# Allegro board mask_layout.brd (continued)
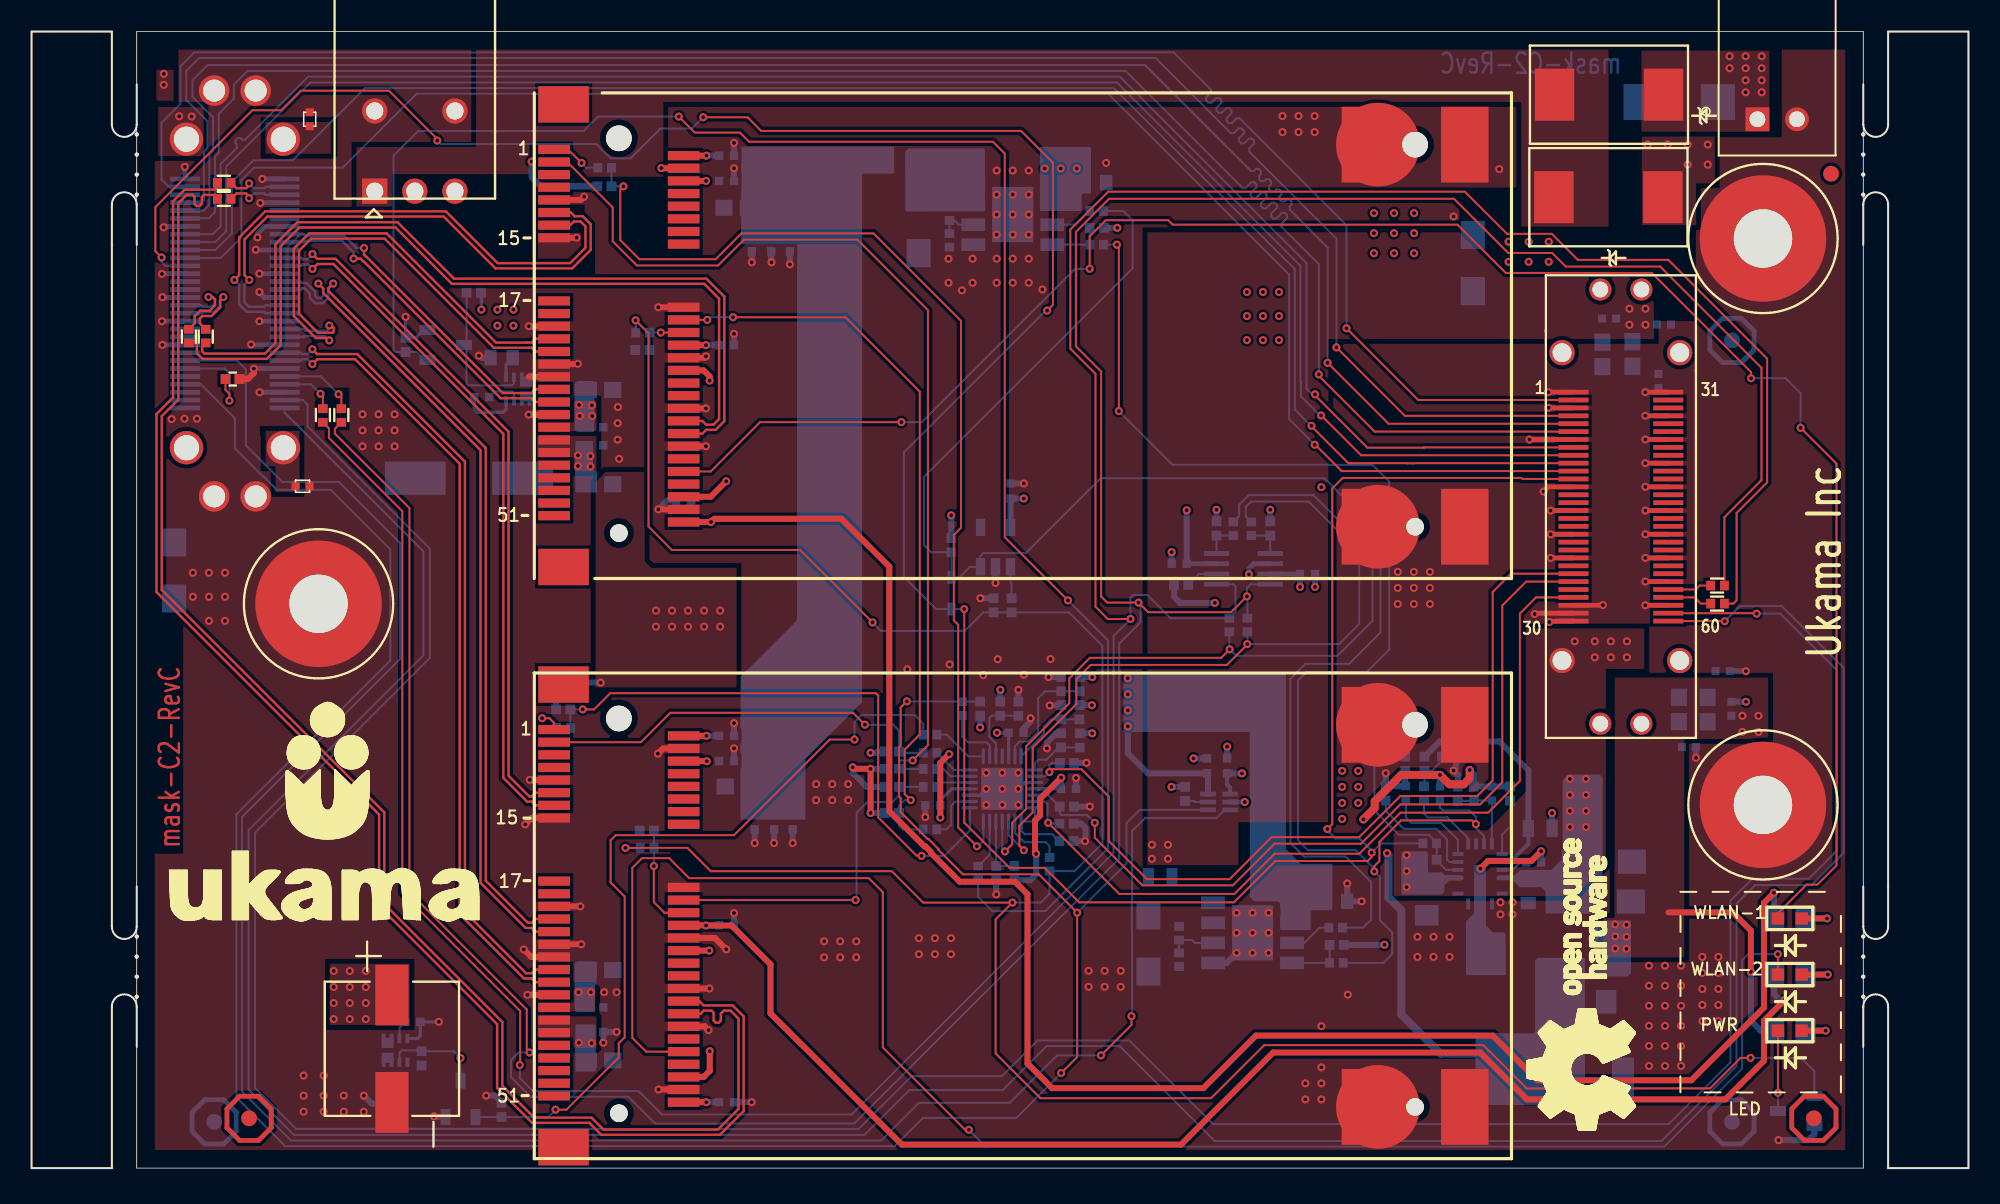
[diagram p0: board, top side]
## Routing (per net, layer and track width the routed paths; a pad name or vN(x,y) marks a point on that pad's centre or on a via; arc(x,y) is an arc through that point) (continued)
SOC_I2C3_SCL_1P8: length 196.8
  TOP w0.127: J2.60 107.17,34.65 v1(107.18,34.64)
  BOTTOM w0.127: v1(107.18,34.64) 108.15,35.6 110.79,35.6 114.7,31.69 114.7,19.96 112.67,17.92 109.1,17.92 107.93,16.76 107.93,6.48 103.18,1.72 74.9,1.72 68.88,7.73 64.26,7.73 61.47,4.94 55.57,4.94 52.73,2.11 16.6,2.11 13.74,4.97 13.74,21.41 24.8,32.48 24.8,39.07 16.02,47.85 J4.60
SOC_I2C3_SDA_1P8: length 195.1
  TOP w0.127: v1(109.2,35.12) 109.17,35.15 J2.59
  BOTTOM w0.127: v1(109.2,35.12) 110.7,35.12 114.3,31.52 114.3,20.12 112.5,18.33 108.93,18.33 107.55,16.95 107.55,6.71 103.63,2.79 74.79,2.79 69.49,8.09 63.69,8.09 61.43,5.83 55.7,5.83 52.35,2.47 36.76,2.47 36.75,2.49 16.74,2.49 14.14,5.09 14.14,21.25 25.21,32.31 25.21,39.24 17.47,46.98 17.47,48.35 17.18,48.64 J4.59
SOC_UART1_CTS: length 109.1
  TOP w0.127: J2.10 87.5,44.65 87.49,44.64 87.09,44.64 87.08,44.65 83.36,44.65 81.02,46.99 v1(81.02,47.02)
  BOTTOM w0.127: J4.10 11.63,58.15 12.68,59.2 12.68,62.47 14.04,63.83 16.53,63.83 21.1,68.4 68.51,68.4 79.96,56.95 79.96,48.05 80.99,47.02 v1(81.02,47.02)
SOC_UART1_RTS: length 109.6
  TOP w0.127: v1(81.23,45.82) 81.26,45.82 82.93,44.15 J2.11
  BOTTOM w0.127: J4.11 11.97,57.65 13.28,58.96 13.28,62.57 14.08,63.36 19.69,63.36 24.37,68.05 68.15,68.05 79.61,56.59 79.61,47.44 v1(81.23,45.82)
SOC_UART1_RX: length 109.1
  TOP w0.127: v1(81.63,47.67) 81.64,47.67 84.17,45.15 J2.9
  BOTTOM w0.127: J4.9 11.63,58.65 12.32,59.34 12.32,63.44 17.64,68.76 68.71,68.76 80.32,57.15 80.32,49.84 80.35,49.81 80.35,48.88 81.56,47.67 v1(81.63,47.67)
SOC_UART1_TX: length 109.3
  TOP w0.127: v1(81.25,49.01) 81.25,48.95 84.56,45.63 88.13,45.63 88.13,45.62 88.15,45.65 J2.8
  BOTTOM w0.127: J4.8 9.72,59.15 11.46,59.15 11.97,59.65 11.97,63.59 13.01,64.63 13.01,64.82 12.91,64.92 12.91,65.11 13.04,65.24 13.23,65.24 13.33,65.14 13.52,65.14 17.51,69.13 68.9,69.13 80.71,57.32 80.71,49.37 81.07,49.01 v1(81.25,49.01)
STRAP_1: length 7.4
  BOTTOM w0.127: U5.13 62.25,26.72 62.55,27.02 63.1,27.02 63.72,27.65 63.72,29.77 64.16,30.2 R40.1 R39.2
STRAP_2: length 4.9
  BOTTOM w0.127: U5.14 63.07,26.5 63.08,26.5 64.08,27.5 64.08,27.96 64.55,28.43 R46.1 R45.2
STRAP_3: length 3.7
  BOTTOM w0.127: R48.2 R49.1 65.01,26.64 64.24,25.87 63.75,25.87 63.51,25.63 U5.15
SYS_NRST: length 162.7
  TOP w0.127: v1(38.24,53.7) 39.05,52.88 39.05,40.63 40.54,39.15 48.65,39.15 v1(53.24,34.56) ; v1(37.6,20.28) 41.52,20.28 42.99,18.81 54.46,18.81 56.44,16.82 v1(62.09,16.82) 61.03,15.75 61.03,7.27 63.86,4.43 74.67,4.43 78.03,7.79 91.89,7.79 94.63,5.05 106.26,5.05 108.18,6.98 v1(108.82,6.98)
  BOTTOM w0.127: v1(38.24,53.7) 38.24,53.69 R25.2 ; v1(62.09,16.82) 63.89,16.82 64.44,17.37 R76.1 66.03,18.82 67.79,20.57 67.79,33.08 65.66,35.2 R33.1 R34.1 60.25,35.2 59.08,34.03 53.77,34.03 v1(53.24,34.56) ; v1(108.82,6.98) 112.02,6.98 112.86,6.14 Q1.1 ; R74.2 v1(37.6,20.28)
USB_DN0: length 53.5
  TOP w0.152: R3.2 10.03,52.34 10.31,52.34 10.46,52.18 10.46,51.6 10.81,51.26 14.9,51.26 15.77,52.12 15.77,58.39 16.96,59.58 23.04,59.58 26.61,56.01 42.58,56.01 43.52,55.07 43.52,47.44 43.17,47.09 42.7,47.09 42.47,47.32 J1.36
USB_DN1: length 96.6
  TOP w0.152: J3.36 42.27,10.58 42.54,10.31 44.38,10.31 45.08,9.61 45.08,3.61 43.58,2.11 36.07,2.11 35.31,2.87 31.68,2.87 29.47,5.08 29.47,9.12 22,16.59 22,22.4 7.91,36.49 7.91,47.77 8.96,48.81 8.96,61.25 9.68,61.97 11.58,61.97 11.76,62.15 R1.2
USB_DP0: length 53.6
  TOP w0.152: J1.38 42.47,46.52 42.7,46.76 43.3,46.76 43.85,47.31 43.85,55.2 42.72,56.34 26.74,56.34 23.17,59.91 16.82,59.91 15.44,58.52 15.44,52.26 14.77,51.59 10.95,51.59 10.79,51.74 10.79,52.04 R4.2
USB_DP1: length 96.5
  TOP w0.152: J3.38 42.35,9.78 42.55,9.98 43.04,9.98 43.18,9.84 43.18,9.35 43.31,9.21 43.5,9.21 43.64,9.35 43.64,9.79 43.82,9.98 44.24,9.98 44.75,9.47 44.75,3.75 43.44,2.44 36.2,2.44 35.45,3.2 31.82,3.2 29.8,5.22 29.8,9.25 22.33,16.73 22.33,22.53 8.24,36.62 8.24,47.63 9.29,48.68 9.29,61.11 9.82,61.64 10.19,61.64 10.32,61.51 10.32,61.07 10.45,60.93 10.64,60.93 10.78,61.07 10.78,61.51 10.91,61.64 11.58,61.64 11.76,61.46 R2.2
WLAN1_CHIP_PWD_L: length 61.9
  TOP w0.127: v1(55.78,25.83) 56.74,26.79 56.74,54.34 52.28,58.81 45.09,58.81 43.46,57.17 38.32,57.17 36.79,58.7 36.79,60.85 33.91,63.73 J1.3
  BOTTOM w0.127: v1(55.78,25.83) 55.04,25.83 54.91,25.7 R57.2 54.92,25.28 R56.2
WLAN1_DISABLE: length 47.2
  TOP w0.127: v1(44.41,53.89) 51.52,53.89 56.23,49.18 56.23,27.46 55.27,26.51 55.27,23.69 v1(55.65,23.31) ; J1.20 v1(42.78,53.73)
  BOTTOM w0.127: R70.2 55.14,21.46 54.91,21.69 R68.2 54.91,22.95 55.27,23.31 v1(55.65,23.31) ; v1(44.41,53.89) 42.94,53.89 v1(42.78,53.73)
WLAN1_LED: length 119.4
  TOP w0.127: LED1.K 110.55,16.15 112.36,17.96 113.05,17.96 114.26,19.17 114.26,44.62 v1(111.99,46.89) ; v1(108.85,50.03) 108.85,50.42 102.57,56.7 93.32,56.7 90.27,59.75 72.24,59.75 71.96,60.04 68,60.04 66.98,59.02 v1(66.98,56.96) ; v1(55.06,47.25) 46.12,47.25 42.99,44.12 J1.44
  BOTTOM w0.127: v1(111.99,46.89) 111.99,49.08 111.04,50.03 v1(108.85,50.03) ; v1(66.98,56.96) 66.06,56.96 56.35,47.25 v1(55.06,47.25)
WLAN2_CHIP_PWD_L: length 26
  TOP w0.127: v1(52.76,28.09) 52,28.84 40.43,28.84 38.58,26.98 J3.3
  BOTTOM w0.127: v1(52.76,28.09) 54.55,28.09 54.91,27.72 R53.2 54.99,26.31 R54.2
WLAN2_DISABLE: length 21.6
  TOP w0.127: v1(52.16,16.98) 52.16,16.98 J3.20
  BOTTOM w0.127: v1(52.16,16.98) 52.23,17.05 52.23,22.51 52.91,23.18 54.48,23.18 54.91,23.61 R65.2 56.43,24.15 R64.2
WLAN2_LED: length 110.9
  TOP w0.127: v1(110.55,13.55) 110.55,13.55 LED2.K ; v1(59.34,2.43) 59.1,2.43 53.89,7.64 53.89,17.48 52.99,18.37 41.62,18.37 40.36,19.64 38.65,19.64 38.03,19.02 38.03,8.25 38.9,7.38 J3.44
  BOTTOM w0.127: v1(110.55,13.55) 108.66,13.55 108.29,13.18 108.29,6.31 103.35,1.37 60.4,1.37 v1(59.34,2.43)
N04873: length 6.1
  TOP w0.152: v1(11.2,55.18) 11.46,55.18 11.61,55.02 11.61,54.65 11.26,54.3 10.67,54.3 10.33,53.96 10.33,53.5 R3.1
  BOTTOM w0.152: v1(11.2,55.18) 11.44,55.18 11.59,55.02 11.59,54.75 11.4,54.56 10.83,54.56 10.74,54.65 J4.17
N04915: length 6.2
  TOP w0.152: v1(12.14,55.18) 11.94,54.98 11.94,54.52 11.4,53.97 10.81,53.97 10.66,53.82 10.66,53.5 R4.1
  BOTTOM w0.152: v1(12.14,55.18) 11.92,54.96 11.92,54.61 11.54,54.23 10.84,54.23 10.76,54.15 J4.18
N05031: length 3.9
  TOP w0.152: R1.1 12.97,62.07 13.58,62.07 13.77,62.25 v1(13.77,62.37)
  BOTTOM w0.152: J4.32 14.82,62.15 14.73,62.07 14.07,62.07 v1(13.77,62.37)
N05071: length 3.9
  TOP w0.152: v1(13.77,61.43) 13.77,61.55 13.58,61.74 12.97,61.74 R2.1
  BOTTOM w0.152: J4.33 14.82,61.65 14.73,61.74 14.07,61.74 v1(13.77,61.43)
N294974: length 1.7
  BOTTOM w0.127: C43.1 94.23,19.36 93.76,18.89 U7.3
N294998: length 12.6
  BOTTOM w0.127: U7.14 89.54,18.89 88.94,19.49 R75.1 R73.2 88.94,20.63 88.46,21.11 86.55,21.11 85.01,22.66 85.01,25.63 85.44,26.06 R51.2
N295128: length 5
  TOP w0.381: v1(91.72,18.97) 92.21,19.46 94.95,19.46 v1(95.56,20.07)
  BOTTOM w0.381: C43.2 v1(95.56,20.07)
N295192: length 34
  TOP w0.508: v1(84.31,22.09) 85.03,22.81 85.03,23.23 86.7,24.91 v1(89.16,24.91) 89.75,24.32 90.67,24.32 91.04,24.69 v1(91.04,25.22)
  L3-PWR w0.508: v1(84.31,22.09) 85.33,22.09 85.81,21.61 v1(85.81,19.95)
  BOTTOM w0.381: 91.31,24.17 91.31,24.94 v1(91.04,25.22) ; 91.31,24.17 R59.2 ; 91.31,24.17 C37.2 92.46,24.17 R58.2 ; R61.1 89.14,24.89 v1(89.16,24.91)
  BOTTOM w0.508: v1(85.81,19.95) 85.9,19.86 85.9,17.15 86.71,16.34 86.71,9.73 89.18,7.26 L1.2
N295424: length 2.6
  BOTTOM w0.127: R52.1 89.28,25.81 88.64,25.16 R50.2 88.17,24.23 R62.1
N295478: length 4.6
  BOTTOM w0.127: R62.2 88.14,22.45 88.37,22.22 89.62,22.22 90.94,20.9 U7.17
N295500: length 3.6
  BOTTOM w0.127: R58.1 93.6,21.64 93.09,21.13 U7.1
N295572: length 5.8
  BOTTOM w0.127: C38.1 86.99,22.22 87.35,21.87 89.23,21.87 90.29,20.8 U7.16
N295666: length 7.3
  BOTTOM w0.127: R63.1 85.72,22.63 86.87,21.49 88.93,21.49 89.61,20.81 89.61,19.54 89.76,19.39 U7.15
N295674: length 4.9
  BOTTOM w0.127: U7.20 92.44,23.27 C37.1 91.33,23.29 R59.1 R60.1
N303197: length 6.6
  TOP w0.381: v1(43.98,43.51) 42.99,42.52 J1.48 ; v1(42.7,62.53) 42.69,62.53 J1.6 ; J1.28 42.54,50.53 42.92,50.14 v1(42.92,49.88)
N16279066: length 6.2
  TOP w0.381: J3.48 42.55,5.78 42.93,6.16 v1(42.93,7.41) ; v1(42.75,25.77) 42.74,25.78 J3.6 ; J3.28 v1(42.9,13.78)
N16291792: length 3.1
  BOTTOM w0.127: R78.1 60.65,19.84 U5.27
N16293975: length 3
  BOTTOM w0.127: R84.1 R82.2 73.47,14.45 73.65,14.27 U8.6
N16295073: length 2.7
  BOTTOM w0.127: R81.2 81.53,15.23 80.57,14.27 U8.3
N16296066: length 2.7
  BOTTOM w0.127: R19.2 66.12,59.76 U2.3
N16296070: length 2.4
  BOTTOM w0.127: 59.61,59.76 58.69,59.76 58.42,60.02 R20.1 R23.1
N16296132: length 3.4
  BOTTOM w0.127: R22.2 R24.2 U2.4
N16297469: length 2.1
  BOTTOM w0.127: R32.1 73.91,37.63 U4.6
N16297659: length 3.5
  TOP w0.127: v1(18.29,49.04) 18.44,48.89 R6.2
  BOTTOM w0.127: v1(18.29,49.04) 17.68,49.65 J4.57
N16297665: length 4.9
  TOP w0.127: R7.2 19.61,48.84 v1(19.43,49.02)
  BOTTOM w0.127: v1(19.43,49.02) 18.3,50.15 J4.56
N16297759: length 2.2
  BOTTOM w0.127: U4.8 R28.2 R30.1
N16297763: length 2.3
  BOTTOM w0.127: R29.1 R27.2 U4.1
N16298199: length 3.3
  TOP w0.127: J1.1 33.95,64.53 v1(34.81,63.67)
  BOTTOM w0.127: R16.2 35.12,63.36 v1(34.81,63.67)
N16298243: length 2.6
  TOP w0.127: J3.1 33.08,28.2 32.78,28.5 v1(32.32,28.5)
  BOTTOM w0.127: R38.2 33.24,28.04 32.79,28.5 v1(32.32,28.5)
N16299411: length 2.2
  BOTTOM w0.127: R64.1 57.59,24.42 U5.5
N16299415: length 3.5
  BOTTOM w0.127: U5.2 58.5,23.22 58.22,22.94 58.22,21.76 57.91,21.46 R70.1
N16300335: length 2.3
  BOTTOM w0.127: U5.6 58.18,24.82 57.72,25.28 R56.1
N16300339: length 2.5
  BOTTOM w0.127: R54.1 58.39,25.22 U5.7
N16300917: length 3
  TOP w0.381: LED1.A v1(113.66,15.82)
  BOTTOM w0.381: R14.2 v1(113.66,15.82)
N16301810: length 3.1
  TOP w0.381: LED2.A v1(113.71,12.26)
  BOTTOM w0.381: R13.2 v1(113.71,12.26)
N16302673: length 4
  BOTTOM w0.127: R42.2 58.91,27.34 59.28,26.97 60.45,26.97 60.65,26.77 U5.9
N16304665: length 1.5
  BOTTOM w0.127: U6.5 73.65,23.19 73.59,23.25 R66.1
N16306652: length 2
  BOTTOM w0.127: R33.2 62.04,37.01 61.97,37.08 U3.1
N16307501: length 3.5
  BOTTOM w0.127: U8.4 R85.2 R83.2
N16308713: length 4
  BOTTOM w0.127: U5.23 62.25,21.24 62.85,20.64 64.21,20.64 64.44,20.42 R76.2
N16308727: length 3.3
  TOP w0.127: J1.22 v1(39.83,52.93)
  BOTTOM w0.127: v1(39.83,52.93) R25.1 R26.2
N16309214: length 6.7
  TOP w0.127: J3.22 40.06,16.18 39.39,16.85 39.39,19.13 v1(39.39,19.13)
  BOTTOM w0.127: v1(39.39,19.13) 39.39,19.51 39.4,19.52 R74.1 R71.2
N16312036: length 5.1
  TOP w0.127: LED3.K 110.55,4.77 v1(110.56,4.77)
  BOTTOM w0.127: v1(110.56,4.77) 110.55,4.77 Q1.3
N16312435: length 2.8
  TOP w0.381: LED3.A v1(113.57,8.71)
  BOTTOM w0.381: R12.2 v1(113.57,8.71)
N16316897: length 9.4
  BOTTOM w0.127: R17.2 27.54,52.27 27.41,52.14 Q2.3 27.53,51.97 27.53,49.7 27.66,49.57 30.41,49.57 30.53,49.7 U1.2
N16318631: length 6.2
  BOTTOM w0.127: U9.2 23.29,7.3 23.44,7.46 24.63,7.46 R87.2 26.73,7.4 v1(27.15,6.98) Q3.3
N16319040: length 3.5
  BOTTOM w0.127: U5.8 59.31,26.08 57.94,27.45 R47.1
N16349541:
  vias: v1(34.59,45.14) v1(34.59,44.47) v1(35.37,45.1) v1(35.38,44.44)
N16350089:
  vias: v1(34.65,7.94) v1(35.46,7.92)
N16350125:
  vias: v1(34.62,11.14) v1(35.41,11.14)
N16738755:
  vias: v1(34.66,48.34) v1(34.7,47.64) v1(35.47,48.32) v1(35.49,47.64)
N16775947: length 2.9
  TOP w0.127: R9.2 105.67,35.76 105.28,36.15 J2.57
N16775967: length 2.8
  TOP w0.127: J2.56 105.36,36.65 105.61,36.9 R8.2
N16808675: length 4.9
  BOTTOM w0.127: R72.1 64.62,21.15 62.87,21.15 62.65,21.37 U5.22 63.38,21.96 63.51,22.09 U5.21
N16906763: length 2.2
  BOTTOM w0.127: C57.2 29.31,49.18 30.44,49.18 30.53,49.09 U1.7
N16909186: length 1.2
  BOTTOM w0.127: C58.2 23.29,8.9 U9.7

## Copper pours and planes (outline as drawn; the poured copper is in the pictures)
12V_VIN on BOTTOM (solid shape): 88.27,20.06 88.29,20.06 88.31,20.05 88.38,19.98 88.39,19.96 88.39,19.94 88.39,18.84 88.4,18.82 88.41,18.8 88.45,18.76 88.47,18.75 88.49,18.74 89.26,18.74 89.28,18.74 89.3,18.73 89.44,18.58 89.46,18.57 89.48,18.56 89.74,18.56 89.74,18.56 90.5,18.56 90.54,18.55 90.55,18.51 90.55,18.26 90.54,18.22 90.5,18.21 89.76,18.21 89.74,18.2 89.72,18.19 89.45,17.92 89.44,17.9 89.43,17.88 89.43,17.52 89.43,17.5 89.42,17.48 89.27,17.33 89.25,17.32 89.23,17.32 86.79,17.32 86.77,17.32 86.75,17.33 86.73,17.36 86.72,17.37 86.72,17.39 86.72,19.92 86.72,19.94 86.73,19.96 86.82,20.05 86.84,20.06 86.86,20.06 87.6,20.06
12V_VIN on BOTTOM (solid shape): 99.25,24.93 99.27,24.93 99.28,24.91 99.44,24.76 99.45,24.74 99.45,24.72 99.45,16.23 99.45,16.21 99.44,16.2 99.38,16.14 99.36,16.13 99.34,16.13 95.87,16.13 95.84,16.15 95.83,16.17 95.83,17.53 95.83,17.55 95.82,17.56 95.6,17.78 95.59,17.79 95.57,17.79 94.21,17.79 94.19,17.8 94.18,17.81 93.77,18.22 93.75,18.23 93.73,18.23 92.88,18.23 92.86,18.24 92.84,18.27 92.84,18.52 92.85,18.54 93.86,18.54 93.88,18.55 93.9,18.56 94.21,18.87 94.23,18.88 94.25,18.89 96.03,18.89 96.03,18.89 96.19,18.89 96.21,18.9 96.23,18.91 96.91,19.59 96.92,19.61 96.93,19.63 96.93,24.56 96.93,24.58 96.94,24.6 97.26,24.91 97.28,24.92 97.3,24.93 98.63,24.93 98.64,24.93
12V_VIN on TOP: 94.59,23.82 94.59,34.18 102.09,34.18 102.09,31.61 99.66,31.61 99.66,19.19 97.71,17.24 86.22,17.24 86.22,21.4 92.17,21.4
12V_VIN on BOTTOM: 90.98,56.51 95.65,56.51 95.65,52.57 97.97,52.57 97.97,48.75 102.76,48.75 102.76,31.38 88.52,31.38 88.52,34.72 89.08,35.28 89.08,38.09 88.52,38.65 88.52,46.13 83.94,50.71 83.94,61.05 88.77,61.05 88.77,58.72
12V_VIN on L3-PWR: 23.78,62.81 23.78,55.31 33.69,55.31 33.69,19.72 73.86,19.72 73.86,37.53 88.58,37.53 88.58,61.15 84.05,61.15 84.05,40.96 70.35,40.96 70.35,24.1 38.6,24.1 38.6,63 23.77,63 23.77,62.81
GND on TOP: 109.58,51.16 109.57,51.17 105.36,55.39 105.36,55.84 105.36,55.84 105.36,59.53 104.72,59.53 104.72,63.36 104.84,63.36 104.84,63.2 106.86,63.2 106.86,65.51 101.51,65.51 101.51,70.84 106.88,70.84 106.88,65.3 110.79,65.3 110.79,70.84 114.81,70.84 114.81,1.14 7.8,1.14 7.8,69.87 8.54,69.87 8.54,69.82 9.3,69.82 9.3,70.84 99.97,70.84 99.97,59.27 101.32,59.27 101.32,58.6 103,58.6 103,58.06 103,57.86 103.02,57.82 103.05,57.8 103.35,57.8 103.35,57.64 103.57,57.64 103.57,55.87 102.95,55.87 102.95,53.65 105.36,53.65 105.36,53.92 108.83,50.44 108.86,50.43 108.97,50.42 109.07,50.37 109.09,50.36 109.11,50.36 109.21,50.41 109.23,50.43 109.23,50.45 109.23,50.55 109.23,50.57 109.22,50.59 105.36,54.45 105.36,55.24 109.51,51.08 109.54,51.08 109.56,51.08 109.58,51.1 ; 38 cut-outs
GND on BOTTOM: 36.14,49.85 37.8,49.85 37.8,44.5 37.76,44.47 36.05,44.47 35.93,44.59 35.93,49.66 36.14,49.88
GND on BOTTOM: 108.21,13.61 108.23,13.59 108.24,13.58 108.27,13.58 108.3,13.59 108.46,13.75 108.46,3.2 106.7,1.44 105.88,2.26 106.05,2.44 106.06,2.47 106.05,2.48 106.03,2.5 106,2.51 105.84,2.51 105.87,2.53 105.89,2.56 105.89,3.4 105.87,3.43 105.86,3.43 105.83,3.44 105.8,3.42 104.97,2.59 104.96,2.56 104.97,2.54 104.99,2.52 105.01,2.51 74.69,2.51 74.67,2.52 74.65,2.53 69.39,7.79 69.37,7.8 69.35,7.81 69.31,7.81 69.29,7.79 69.28,7.78 69.28,7.75 69.29,7.72 75,2.02 75.01,2 75.03,2 104.21,2 103.41,1.2 103.41,1.14 14.7,1.14 14.7,2.21 13.1,2.21 13.1,3.01 12.69,3.01 12.69,2.21 7.8,2.21 7.8,56.86 8.23,56.86 8.23,57.06 7.8,57.06 7.8,57.95 8.65,57.95 8.65,58.63 8.66,58.63 8.66,59.31 7.89,59.31 7.97,59.38 7.97,66.14 9.22,67.4 9.22,69.87 10.11,70.75 10.11,70.83 10.1,70.84 15.72,70.84 15.72,69.29 15.56,69.29 15.56,69.33 15.15,69.33 15.15,67.3 15.32,67.3 15.32,67.27 15.9,67.27 15.9,68.34 16.45,68.34 16.45,68.45 16.6,68.45 16.6,69.29 17.16,69.29 17.16,70.84 72.46,70.84 72.46,70.75 74.49,68.72 75.45,68.72 75.45,68.89 75.6,69.04 75.6,70.75 75.51,70.84 114.81,70.84 114.81,17.43 114.81,17.43 114.81,18.62 114.76,18.62 114.79,18.63 114.81,18.67 114.81,19.56 114.79,19.59 114.78,19.59 114.75,19.6 114.73,19.58 113.84,18.7 113.84,18.67 113.84,18.65 113.86,18.63 113.89,18.62 113.12,18.62 113.12,18.09 109.54,18.09 109.21,17.76 108.75,17.76 108.75,17.3 108.46,17.01 108.46,16.89 108.23,16.66 108.22,16.64 108.21,16.62 ; 116 cut-outs
GND on L2-GND: 7.8,1.14 7.8,70.84 114.81,70.84 114.81,1.14
V1P8_S on TOP: 14.81,66.26 18.96,66.26 18.96,64.25 14.81,64.25
V1P8_S on BOTTOM: 98.26,52.7 98.26,51.8 100.08,51.8 100.08,53.1 99.67,53.51 99.67,54.37 99.16,54.89 98.69,54.89 98.26,55.32 98.26,59.46 92.82,59.46 92.82,56.83 95.99,56.83 95.99,53.63 96.73,52.89 98.07,52.89
V1P8_S on L3-PWR: 14.12,66.36 14.12,47.24 27.19,47.24 27.19,13.14 79.03,13.14 79.03,31.46 93.73,31.46 93.73,56.36 96.37,56.36 96.37,58.98 88.98,58.98 88.98,37.1 74,37.1 74,19.25 33.43,19.25 33.43,52.02 18.75,52.02 18.75,66.36
V3P3 on TOP: 14.81,46.67 14.81,44.46 15.44,44.46 15.44,42.82 16.96,42.82 16.96,46.7 14.76,46.7 14.76,46.67
V3P3 on BOTTOM: 104.73,28.81 104.73,25.25 97.14,25.25 97.14,25.24 95.18,25.24 95.18,29.1 84.59,29.1 84.59,22.87 83.48,22.87 83.48,21.83 80.45,21.83 80.45,30.97 97.93,30.97 97.93,27.19 102.96,27.19 102.96,28.81
V3P3 on L3-PWR: 14.12,46.88 14.12,6.6 85.01,6.6 85.01,25.83 79.48,25.83 79.48,12.72 26.83,12.72 26.83,46.88
VDD_1V5 on BOTTOM (solid shape): 54.55,64.7 54.59,64.69 54.6,64.65 54.6,63.04 54.59,63.01 54.55,62.99 52.63,62.99 52.59,62.98 52.58,62.94 52.58,29.53 52.57,29.51 52.56,29.49 49,25.93 48.99,25.91 48.99,25.9 48.99,22.13 48.97,22.09 48.93,22.08 44.92,22.08 44.89,22.09 44.87,22.13 44.87,25.26 44.89,25.29 44.92,25.31 44.94,25.33 44.94,26.2 44.92,26.24 44.89,26.25 44.87,26.27 44.87,26.53 44.87,26.59 44.87,26.65 44.87,26.86 44.89,26.89 44.92,26.91 44.94,26.93 44.94,27.8 44.92,27.84 44.89,27.85 44.87,27.87 44.87,28.13 44.87,28.19 44.87,28.25 44.87,28.88 44.88,28.9 44.88,31.11 44.88,31.12 44.89,31.14 48.45,34.7 48.46,34.71 48.46,34.73 48.46,57.6 48.48,57.6 48.48,58.49 48.46,58.52 48.43,58.54 47.54,58.54 47.54,58.52 47.29,58.52 47.29,58.54 46.35,58.54 46.35,58.52 46.06,58.52 46.06,58.54 45.12,58.54 45.12,58.52 44.97,58.52 44.94,58.54 44.92,58.57 44.92,62.04 44.93,62.06 44.94,62.08 44.94,62.98 44.93,63 44.92,63.02 44.92,63.64 44.93,63.66 44.94,63.68 44.94,64.58 44.93,64.6 44.92,64.62 44.92,64.65 44.94,64.69 44.97,64.7
VDD_1V8 on TOP: 82.1,21.91 82.1,39.81 82.1,52.51 102.7,52.51 102.7,59.28 70.64,59.28 70.64,19.19 76.4,19.19 76.4,21.91 ; 3 cut-outs
VDD_1V8 on BOTTOM: 100.84,51.74 103.15,51.74 103.15,54.68 100.84,54.68
VDD_1V8 on BOTTOM: 71.26,19.41 71.26,17.86 70.28,17.86 70.28,20.76 72.34,20.76 72.34,19.41
VDD_3V3 on BOTTOM (solid shape): 66.96,64.69 66.98,64.68 66.99,64.67 67.04,64.63 67.05,64.61 67.06,64.59 67.06,61.76 67.05,61.74 67.02,61.72 66.57,61.72 66.55,61.71 66.53,61.7 66.49,61.65 66.48,61.64 66.47,61.62 66.47,60.7 66.47,60.68 66.46,60.66 66.44,60.64 66.42,60.63 66.4,60.62 63.88,60.62 63.86,60.63 63.83,60.66 63.83,64.62 63.83,64.64 63.85,64.65 63.87,64.67 63.88,64.68 63.9,64.69
VDD_3V3 on TOP: 99.47,13.35 104.62,13.35 104.62,27.18 109.93,27.18 109.93,31.06 100.22,31.06 100.22,19.23 100.2,19.23 100.2,15.85 99.47,15.85
VDD_3V3 on TOP: 7.9,69.56 7.9,67.6 8.99,67.6 8.99,69.56
VDD_3V3 on TOP: 38.81,44.1 36.34,44.1 35.7,43.46 35.7,30.45 44.63,30.45 44.63,38.02 39.23,38.02 38.81,38.43
VDD_3V3 on BOTTOM: 14.79,5.02 14.79,21.22 29.32,35.74 43.88,35.74 43.88,33.67 34.81,33.67 18.38,17.24 18.38,7.05 22.91,7.05 22.91,5.89 23.67,5.89 23.67,7 23.93,7 23.93,6.83 25.02,6.83 25.02,5.02
VDD_3V3 on BOTTOM: 105.53,28.84 105.53,27.26 109.76,27.26 109.76,28.91 106.91,28.91 106.91,28.84 105.56,28.84
VDD_3V3 on BOTTOM: 29.75,52.85 29.75,50.62 30.78,50.62 30.78,49.44 31.8,49.44 31.8,54.66 28.14,54.66 28.14,52.85
VDD_3V3 on L3-PWR: 7.8,1.14 7.8,70.84 106.98,70.84 106.98,66.62 114.81,66.62 114.81,1.14
(no net) on BOTTOM: 98.96,15.69 101.19,15.69 101.24,15.64 101.24,12.34 101.04,12.13 99.03,12.13 98.96,12.21
(no net) on BOTTOM: 34.37,10.03 34.52,9.87 35.58,9.87 35.65,9.95 35.65,11.58 35.68,11.61 35.76,11.61 35.76,11.61 35.76,12.97 35.64,13.1 34.54,13.1 34.37,12.92
(no net) on BOTTOM: 90.8,12.23 90.8,15.63 91.32,16.15 91.32,19.16 91.38,19.21 92.02,19.21 92.07,19.16 92.07,18.93 92.07,18.29 92.07,15.37 92.25,15.19 92.25,15.19 92.51,14.94 93.19,14.94 93.31,14.82 93.31,12.23
(no net) on BOTTOM: 34.42,46.05 34.42,42.8 35.8,42.8 35.8,44.14 35.59,44.14 35.54,44.19 35.54,46.04 35.53,46.05
(no net) on BOTTOM: 60.27,64.59 60.35,64.5 60.35,60.73 60.22,60.6 55.38,60.6 55.32,60.66 55.32,64.4 55.5,64.59
(no net) on BOTTOM: 66.47,60.67 66.47,61.64 66.55,61.72 67.03,61.72 67.06,61.74 67.06,64.61 66.98,64.69 63.88,64.69 63.83,64.64 63.83,60.65 63.86,60.62 66.42,60.62
(no net) on BOTTOM: 90.55,18.56 89.46,18.56 89.28,18.74 88.47,18.74 88.39,18.82 88.39,19.96 88.29,20.06 86.83,20.06 86.72,19.94 86.72,17.37 86.77,17.32 89.26,17.32 89.43,17.5 89.43,17.9 89.74,18.21 90.55,18.21
(no net) on BOTTOM: 34.37,46.77 34.52,46.62 35.59,46.62 35.76,46.8 35.76,49.72 35.64,49.85 34.54,49.85 34.37,49.67
(no net) on BOTTOM: 98.32,13.25 98.25,13.33 95.34,13.33 95.18,13.17 95.18,8.64 95.08,8.54 91.41,8.54 91.41,4.01 98.17,4.01 98.32,4.16
(no net) on BOTTOM: 44.87,28.89 44.88,28.9 44.88,31.13 48.46,34.71 48.46,58.52 44.92,58.52 44.92,64.7 54.6,64.7 54.6,62.99 52.58,62.99 52.58,29.51 48.99,25.92 48.99,22.08 44.87,22.08
(no net) on BOTTOM: 34.42,9.11 34.42,6.12 35.71,6.12 35.71,9.11
(no net) on BOTTOM: 94.19,17.79 93.75,18.23 92.86,18.23 92.84,18.26 92.84,18.53 92.85,18.54 93.88,18.54 94.23,18.89 96.22,18.89 96.93,19.6 96.93,24.58 97.27,24.93 98.63,24.93 98.64,24.93 99.27,24.93 99.45,24.75 99.45,16.21 99.36,16.13 95.86,16.13 95.83,16.15 95.83,17.55 95.59,17.79
(no net) on BOTTOM: 80.98,15.08 80.98,16.22 81.09,16.34 82.31,16.34 82.35,16.38 82.35,19.28 80.34,19.28 79.4,20.22 79.4,31.36 68.95,31.36 68.95,27.62 77.12,27.62 77.12,17.33 77.12,17.33 77.12,17.17 77.39,16.9 78.89,16.9 79.06,16.73 79.06,15.14 79.12,15.08
DC_12V_IN on TOP: 110.01,65.64 101.91,65.64 101.91,70.78 110.01,70.78
DC_12V_IN on BOTTOM: 110.01,70.84 110.01,65.68 105.62,65.68 105.62,70.84
MASK2_1V8 on BOTTOM: 98.55,50.05 105.28,50.05 105.28,52.48 103.52,52.48 103.52,51.39 98.55,51.39
MASK2_3V3 on BOTTOM: 103.44,33.18 103.44,29.27 106.87,29.27 106.87,33.18
MASK_12V_IN on TOP: 8.02,67.21 8.02,64.1 10.89,64.1 10.89,67.21
MASK_12V_IN on TOP: 101.94,65.34 101.94,59.73 105.37,59.73 105.37,62.37 106.56,62.37 106.56,65.34
MASK_12V_IN on BOTTOM: 10.49,46.75 8.07,46.75 8.07,38.49 10.01,38.49 10.01,43.77 11.65,43.77 11.65,46.74 10.49,46.74
MASK_12V_IN on L3-PWR: 7.77,1.14 114.81,1.14 114.81,66.52 101.93,66.52 101.93,54.54 104.55,51.92 104.55,30.49 101.93,30.49 101.93,6.23 13.73,6.23 13.73,66.17 13.61,66.28 10.54,66.28 10.51,66.31 10.51,66.65 10.22,66.94 8.03,66.94 7.77,66.68
MPCIE1_VDD_3V3 on BOTTOM: 28.24,36.16 28.24,48.46 29.73,48.46 29.73,49.15 31.16,49.15 31.16,58.25 34.14,61.23 37.31,61.23 38.15,62.07 38.15,64.55 38.64,65.04 43.78,65.04 43.78,63.44 42.1,63.44 42.1,53.3 43.83,53.3 43.83,50.85 42.22,50.85 42.22,42.56 44.6,42.56 44.6,36.16
MPCIE2_VDD_3V3 on TOP: 23.93,12.95 23.93,9.06 18.88,9.06 18.88,12.95
MPCIE2_VDD_3V3 on BOTTOM: 38.61,13.65 34.04,13.65 34.04,8.54 23.16,8.54 23.16,7.39 23.11,7.33 18.87,7.33 18.72,7.49 18.72,16.34 29.91,27.53 37.4,27.53 37.4,33.12 43.92,33.12 43.92,26.91 41.63,26.91 41.63,16.15 43.82,16.15 43.82,14.68 41.63,14.68 41.63,8.93 41.63,8.93 41.63,6.72 41.82,6.53 43.65,6.53 43.78,6.4 43.78,3.78 40.07,3.78 38.61,5.24 36.33,5.24 36.2,5.37 36.2,7.44 36.38,7.62 38.29,7.62 38.61,7.94
N298230 on BOTTOM: 71.73,19.09 75.51,19.09 75.56,19.04 75.56,15.11 75.52,15.06 69.93,15.06 69.93,16.91 71.35,16.91 71.6,17.16 71.6,18.97
N303197 on BOTTOM: 42.45,62.94 42.45,54.32 45.04,54.32 45.04,50.54 42.46,50.54 42.46,43.12 47.85,43.12 47.85,45.99 47.85,45.99 47.85,56.78 44.41,56.78 44.41,61.9 43.83,61.9 43.83,62.94
N16279066 on BOTTOM: 48.33,6.82 48.51,7.01 48.51,19.85 48.4,19.96 45.38,19.96 44.55,20.79 44.55,24.87 44.03,24.87 43.89,25.01 43.89,26.32 43.75,26.47 42.15,26.47 41.9,26.22 41.9,6.94 42.02,6.82
N16349541 on TOP: 32.08,46.37 35.75,46.37 35.75,44.14 34.44,44.14 34.32,44.26 34.32,44.97 34.25,45.04 32,45.04 32,46.3
N16350089 on TOP: 32.03,9.62 35.69,9.62 35.76,9.54 35.76,7.64 35.71,7.59 34.39,7.59 34.29,7.69 34.29,8.2 34.19,8.3 32.11,8.3 32.03,8.38
N16350125 on TOP: 32.08,9.87 35.59,9.87 35.69,9.98 35.69,11.32 35.53,11.47 34.47,11.47 34.32,11.32 34.32,10.51 34.29,10.48 32.08,10.48
N16738755 on TOP: 32.05,46.68 35.76,46.68 35.76,48.61 34.34,48.61 34.34,47.3 34.27,47.23 32.05,47.23
N16873798 on TOP: 28.14,64.68 28.14,70.84 99.83,70.84 99.83,59.63 94.3,59.63 94.3,67.52 39.99,67.52 39.99,62.79 33.23,62.79 33.23,64.91 31.52,64.91 31.52,62.95 22.88,62.95 22.88,62.96 22.81,62.96 22.81,60.9 20.56,60.9 20.56,64.68
VDD_3V3 on BOTTOM (solid shape): 101.17,15.69 101.19,15.69 101.21,15.68 101.23,15.66 101.24,15.64 101.24,15.62 101.24,12.36 101.24,12.34 101.23,12.32 101.06,12.15 101.04,12.14 101.02,12.13 99.06,12.13 99.04,12.14 99.02,12.15 98.97,12.2 98.96,12.21 98.96,12.23 98.96,15.64 98.97,15.68 99.01,15.69
VDD_3V3 on BOTTOM (solid shape): 79.35,31.36 79.39,31.34 79.4,31.31 79.4,20.24 79.4,20.22 79.42,20.2 80.33,19.29 80.34,19.28 80.36,19.28 82.3,19.28 82.33,19.26 82.35,19.23 82.35,16.4 82.34,16.38 82.31,16.34 82.29,16.34 81.11,16.34 81.09,16.33 81.07,16.32 80.99,16.24 80.98,16.22 80.98,16.2 80.98,15.13 80.96,15.1 80.92,15.08 79.14,15.08 79.12,15.09 79.11,15.1 79.08,15.13 79.07,15.14 79.06,15.16 79.06,16.71 79.06,16.73 79.05,16.75 78.91,16.88 78.89,16.89 78.87,16.9 77.41,16.9 77.39,16.9 77.38,16.91 77.14,17.15 77.13,17.17 77.12,17.19 77.12,17.33 77.12,17.33 77.12,22.92 77.13,22.95 77.21,23.19 77.13,23.44 77.12,23.47 77.12,27.57 77.1,27.61 77.07,27.62 69.17,27.62 69.14,27.64 69.12,27.67 69.12,31.31 69.14,31.34 69.17,31.36
N295128 on BOTTOM (solid shape): 92,19.21 92.02,19.21 92.07,19.16 92.07,19.14 92.07,18.93 92.07,18.29 92.07,15.39 92.07,15.38 92.08,15.36 92.25,15.19 92.25,15.19 92.49,14.95 92.51,14.94 92.53,14.94 93.16,14.94 93.18,14.93 93.2,14.92 93.29,14.83 93.3,14.81 93.31,14.79 93.31,12.28 93.29,12.24 93.25,12.23 90.86,12.23 90.82,12.24 90.8,12.28 90.8,15.61 90.81,15.63 90.82,15.65 91.31,16.14 91.32,16.15 91.32,16.17 91.32,19.14 91.33,19.16 91.34,19.17 91.36,19.2 91.38,19.21 91.4,19.21
N295192 on BOTTOM (solid shape): 98.23,13.33 98.25,13.32 98.26,13.31 98.31,13.27 98.32,13.25 98.32,13.23 98.32,4.18 98.32,4.16 98.31,4.14 98.19,4.02 98.17,4.01 98.15,4.01 91.46,4.01 91.42,4.02 91.41,4.06 91.41,8.49 91.42,8.53 91.46,8.54 95.06,8.54 95.08,8.55 95.1,8.56 95.16,8.62 95.17,8.64 95.18,8.66 95.18,13.15 95.18,13.17 95.19,13.19 95.32,13.31 95.34,13.32 95.36,13.33
N16295982 on BOTTOM (solid shape): 60.25,64.59 60.27,64.58 60.28,64.57 60.34,64.52 60.35,64.5 60.35,64.48 60.35,60.75 60.35,60.73 60.34,60.71 60.24,60.61 60.22,60.6 60.2,60.6 58.29,60.6 58.29,60.61 57.89,60.61 57.89,60.6 55.4,60.6 55.38,60.6 55.37,60.61 55.33,60.65 55.32,60.66 55.32,60.68 55.32,64.38 55.32,64.4 55.33,64.41 55.49,64.57 55.5,64.58 55.52,64.59
N16349541 on BOTTOM (solid shape): 35.54,46.03 35.54,44.21 35.55,44.19 35.59,44.15 35.61,44.14 35.75,44.14 35.78,44.13 35.8,44.09 35.8,42.86 35.78,42.82 35.75,42.8 34.47,42.8 34.43,42.82 34.42,42.86 34.42,46 34.43,46.04 34.47,46.05 35.53,46.05
N16350089 on BOTTOM (solid shape): 35.66,9.11 35.7,9.1 35.71,9.06 35.71,6.17 35.7,6.13 35.66,6.12 34.47,6.12 34.43,6.13 34.42,6.17 34.42,9.06 34.43,9.1 34.47,9.11
N16350125 on BOTTOM (solid shape): 35.62,13.1 35.63,13.1 35.65,13.09 35.75,12.99 35.76,12.97 35.76,12.95 35.76,11.61 35.76,11.61 35.7,11.61 35.68,11.61 35.65,11.57 35.65,9.97 35.65,9.95 35.64,9.93 35.6,9.89 35.58,9.88 35.56,9.87 34.54,9.87 34.52,9.88 34.5,9.89 34.38,10.01 34.37,10.03 34.37,10.05 34.37,12.9 34.37,12.92 34.38,12.94 34.53,13.09 34.55,13.1 34.57,13.1
N16738755 on BOTTOM (solid shape): 35.57,49.85 35.61,49.83 35.62,49.79 35.62,46.68 35.62,46.66 35.58,46.62 35.56,46.62 34.54,46.62 34.52,46.62 34.5,46.63 34.38,46.76 34.37,46.77 34.37,46.79 34.37,49.65 34.37,49.67 34.38,49.68 34.53,49.83 34.55,49.84 34.57,49.85

Small or netless copper shapes (teardrops, artwork), in the pictures only: 4 on BOTTOM

## Text on the board
BOTTOM: mask-C2-RevC | BOTTOM_LAYER
Ref Des/Assembly Bottom: ASSEMBLY_BOTTOM
Package Geometry/Pastemask Bottom: PASTEMASK_BOTTOM
Ref Des/Silkscreen Bottom: 1V5 CONVERTER | 1V8 CONVERTER | 3V3 CONVERTER | Ukama Inc | SILKSCREEN_BOTTOM
User.Comments: INCHES | UNLESS OTHERWISE SPECIFIED | ALL DIMENSIONS ARE IN | MILS | SIZE | DATE | SCALE | 1/1 | SHEET | 1  OF | 1 | SOLDERMASK_TOP | SOLDERMASK_BOTTOM | CAD | DATA | DO NOT MANUALLY | D | C | B | A | 8 | 7 | 6 | 5 | 4 | 3 | X | 2 | U.L. RATING: 94V-0 MINIMUM | PITCH COMPONENTS PADS AND BLACK COLOUR MASK ON REST OF THE BOARD. | 16. VIA ON PAD SHOULD BE FILLED WITH FLAT SURFACE FINISH | 17.DELIVERY REQUIREMENTS: | A. ONE BARE BOARD (SOLDER SAMPLE) AND CROSS-SECTION SHALL BE | B. A TDR REPORT, ONE PER PANEL SHALL ACCOMPANY THE MATERIAL | INCLUDED WITH EACH BOARD LOT. | SHIPMENT.
TOP: mask-C2-RevC | TOP_LAYER
Ref Des/Assembly Top: ASSEMBLY_TOP
Package Geometry/Pastemask Top: PASTEMASK_TOP
Ref Des/Silkscreen Top: WLAN-2 | WLAN-1 | PWR | LED | Ukama Inc | SILKSCREEN_TOP
L2-GND: GND_LAYER
L3-PWR: POWER_LAYER
XSECTION_CHART: *  SURFACE - AIR 0 MIL | L1: TOP CONDUCTOR - COPPER 1.6 MIL | *  DIELECTRIC - FR-4 2.9 MIL | L2: L2-GND1 PLANE - COPPER 1.2 MIL | *  DIELECTRIC - FR-4 4 MIL | L3: L3-SIG1 CONDUCTOR - COPPER 0.6 MIL | *  DIELECTRIC - FR-4 6.6 MIL | L4: L4-PWR1 PLANE - COPPER 1.2 MIL | *  DIELECTRIC - FR-4 3.5 MIL | L5: L5-SIG2 CONDUCTOR - COPPER 1.2 MIL | *  DIELECTRIC - FR-4 18.8 MIL | L6: L6-SIG3 CONDUCTOR - COPPER 1.2 MIL | L7: L7-PWR2 PLANE - COPPER 1.2 MIL | L8: L8-SIG4 CONDUCTOR - COPPER 0.6 MIL | L9: L9-GND2 PLANE - COPPER 1.2 MIL | L10: BOTTOM CONDUCTOR - COPPER 1.6 MIL | DESIGN CROSS SECTION CHART | ___________________________ | TOTAL THICKNESS 64.4 MIL | 1-10
PAGE_OUTLINE: UPDATE
DISPLAY_TOP: 4.30 | 7.30 | 0.00\P[0.0] | 3.15\P[3.2] | 7.25\P[7.3] | 7.50\P[7.5] | 0.12\P[0.1] | 0.50\P[0.5] | 1.05\P[1.1] | 1.48\P[1.5] | 2.03\P[2.0] | 2.47\P[2.5] | 3.02\P[3.0] | 3.45\P[3.5] | 4.00\P[4.0] | 4.50\P[4.5]
User.6: 0.91\P[0.9] | 0.19\P[0.2] | 3.30\P[3.3] | 2.20\P[2.2] | 0.20\P[0.2] | 0.00\P[0.0] | 2.26\P[2.3] | 3.81\P[3.8]
User.9: FABRICATION DRAWING | SENSITIVE ELECTRONIC DEVICES-CLASS 1 | CAUTION | IPC-SM-840C AND SHALL BE BLACK IN COLOR AND APPLIED OVER BARE COPPER. | DIELECTRIC: FR4 AS PER IPC-4101/21. | THERE SHALL BE NO SILKSCREEN ON ANY SOLDERABLE AREA. | 10. FOR ALL NON SPECIFIED TOLERANCE FOR FINISH HOLES SIZE IS +/- 3 MILS | 11. GERBER SHOULD BE VERIFIED FOR 100% CONTINUITY AND SHORTS | 16. ALL VIAS SHOULD BE FILLED WITH FLAT SURFACE FINISH | 13. VENDOR TO IDENTIFY TEST PASSED IN SECONDARY  SIDE. | 12. BOW AND TWIST SHALL NOT EXCEED 0.75% OF LONGEST SIDE. | 15. PCB MANUFACTURER TO MODIFY AND ADD BATCH CODE AT TIME OF FABRICATION. | 14. ALL DIMENSIONS ARE IN:MILS UNLESS OTHERWISE SPECIFIED | NOTES: UNLESS OTHERWISE SPECIFIED. | 3. UNLESS OTHERWISE MENTIONED FABRICATE AS PER IPC-6012D CLASS 2. | 4. MATERIAL: | 9. MINIMUM CONDUCTOR WIDTH:5.00 MILS. | 5. SURFACE FINISH:IMMERSION GOLD | 6. SOLDER MASK MATERIAL SHALL MEET ALL THE REQUIREMENTS OF | 7. SILK SCREEN LEGEND TO BE APPLIED AS PER LAYER STACKUP | 8. DONT KEEP PCB MANUFACTURER LOGO IN PCB. | 1. THIS FILE IS TO BE USED IN CONJUNCTION WITH THE GERBER FILE | 2. ALL ARTWORK PATTERNS ARE VIEWED FROM TOP. | COPPER: AS PER STACKUP. | DO NOT CHANGE THE FONT SIZE. | AND DRILL DATA WHERE APPLICABLE. | MINIMUM DRILL/PAD SIZE:10/20 MILS | MINIMUM SPACING:6 MILS. | USING YELLOW NON-CONDUCTIVE EPOXY INK. | THE BBT REPORT SHOULD BE DELIVERED ALONG WITH PCBS. | TESTING STRICTLY USING IPC-D-356A
User.10: 62.696 +/-10% MM) | UNITS -MILS | SECONDARY SIDE, SILK SCREEN | PRIMARY SIDE, SOLDER MASK | SECONDARY SIDE, BOTTOM LAYER 4 - 1.770 MILS | SECONDARY SIDE, SOLDER MASK | PRIMARY SIDE, SILK SCREEN | PRIMARY SIDE, TOP - 1.770 MILS | DIELECTRIC | POWER LAYER, LAYER 3 - 1.2 MILS | GROUND LAYER, LAYER 2 - 1.2 MILS | 3.878 MILS | 47 MILS | 1 MILS
User.11: 2.15\P[2.2] | 6.35\P[6.3] | 3.75\P[3.7] | 3.25\P[3.2] | 0.32\P[0.3] | 0.00\P[0.0] | 6.50\P[6.5] | 0.45\P[0.5] | 0.79\P[0.8] | 0.94\P[0.9] | 3.61\P[3.6] | 3.83\P[3.8] | 4.05\P[4.1] | 4.50\P[4.5]
User.12: 21 | 1 | 20 | 40 | 51 | 100 | 50 | +
User.17: 0.00\P[0.0] | 166.29\P[6.5] | 114.30\P[4.5]
User.22: 0.00\P[0.0] | 158.29\P[6.2] | 156.29\P[6.2] | 114.30\P[4.5]
User.24: 114.30\P[4.5] | 0.00\P[0.0] | 156.29\P[6.2] | 158.29\P[6.2]
User.28: 0.00\P[0.0] | 166.29\P[6.5] | 114.30\P[4.5]
User.30: 21 | 31 | 60 | 40 | 51 | 100 | 30 | 1 | 20 | 50 | R1C1 | R98 | Q1C2 | R1C9 | R1C8 | R1C7 | R1C6 | R1C5 | R1C4 | R1C3 | R1C2 | U714 | J3310
User.31: DATE:04-09-2019 | DESIGNED AT: | CARD REF:OC - TowerNode - DEBUG v1 Rev-A | FILM LAYER: | Rely Sys Technology | ASSEMBLY SECONDARY SIDE | PART NUMBER:XXXXXXX
User.32: OC - TowerNode - SDR v1 Rev-A
User.34: OC - TowerNode - SDR v1 Rev-A | ASSEMBLY_BOTTOM
User.35: 88.19 | 109.3 | 16.29 | 56.01
User.44: PART NUMBER | FABRICATION DRAWING
User.45: CHK. BY: | APP. BY: | PREP. BY: | INITAL | xxxxx | PRADEEP KUMAR | 13-06-2019 | TITLE | DATE | REV 0.1 | BOARD NAME: | FILM LAYER: | DESIGNED AT: | DATE:1-13-2017 | 31-07-2020 | mask-C2-RevC | PART NUMBER:xxxxx | mask-C2-RevB | SIGNAL_LAYER_01 | MTPCB0058_SDR | RELY SYS | LAYER(S) | BOTTOM | TOP | SINGLE ENDED (55 OHM)IMPEDANCE CHART | TRACE WIDTH | 5 MILS | REF LAYER | L2 | L3 | +/- 10% | TOL | DIFFERENTIAL SIGNAL (90 OHM)IMPEDANCE CHART | 6.00 MILS | SEPERATION | 7.00 MILS | TITLE: | MTPCB0058_SDR_BOARD | REV : | C | B | FIGURE | SIZE | 10.0 | 39.37 | 39.4 | 42.91 | 47.2 | 55.12 | 62.99 | 145.7 | 20.0 | 43.0 | 44.0 | 64.0 | DRILL CHART: TOP to BOTTOM | ALL UNITS ARE IN MILS | TOLERANCE | +3.0/-3.0 | +0.0/-0.0 | +3.15/-3.15 | +1.97/-1.97 | PLATED | NON-PLATED | QTY | 551 | 2 | 4 | 5 | 3 | 8
